# Altium PCB PCB1.PcbDoc (part 1 of 4) (continued)
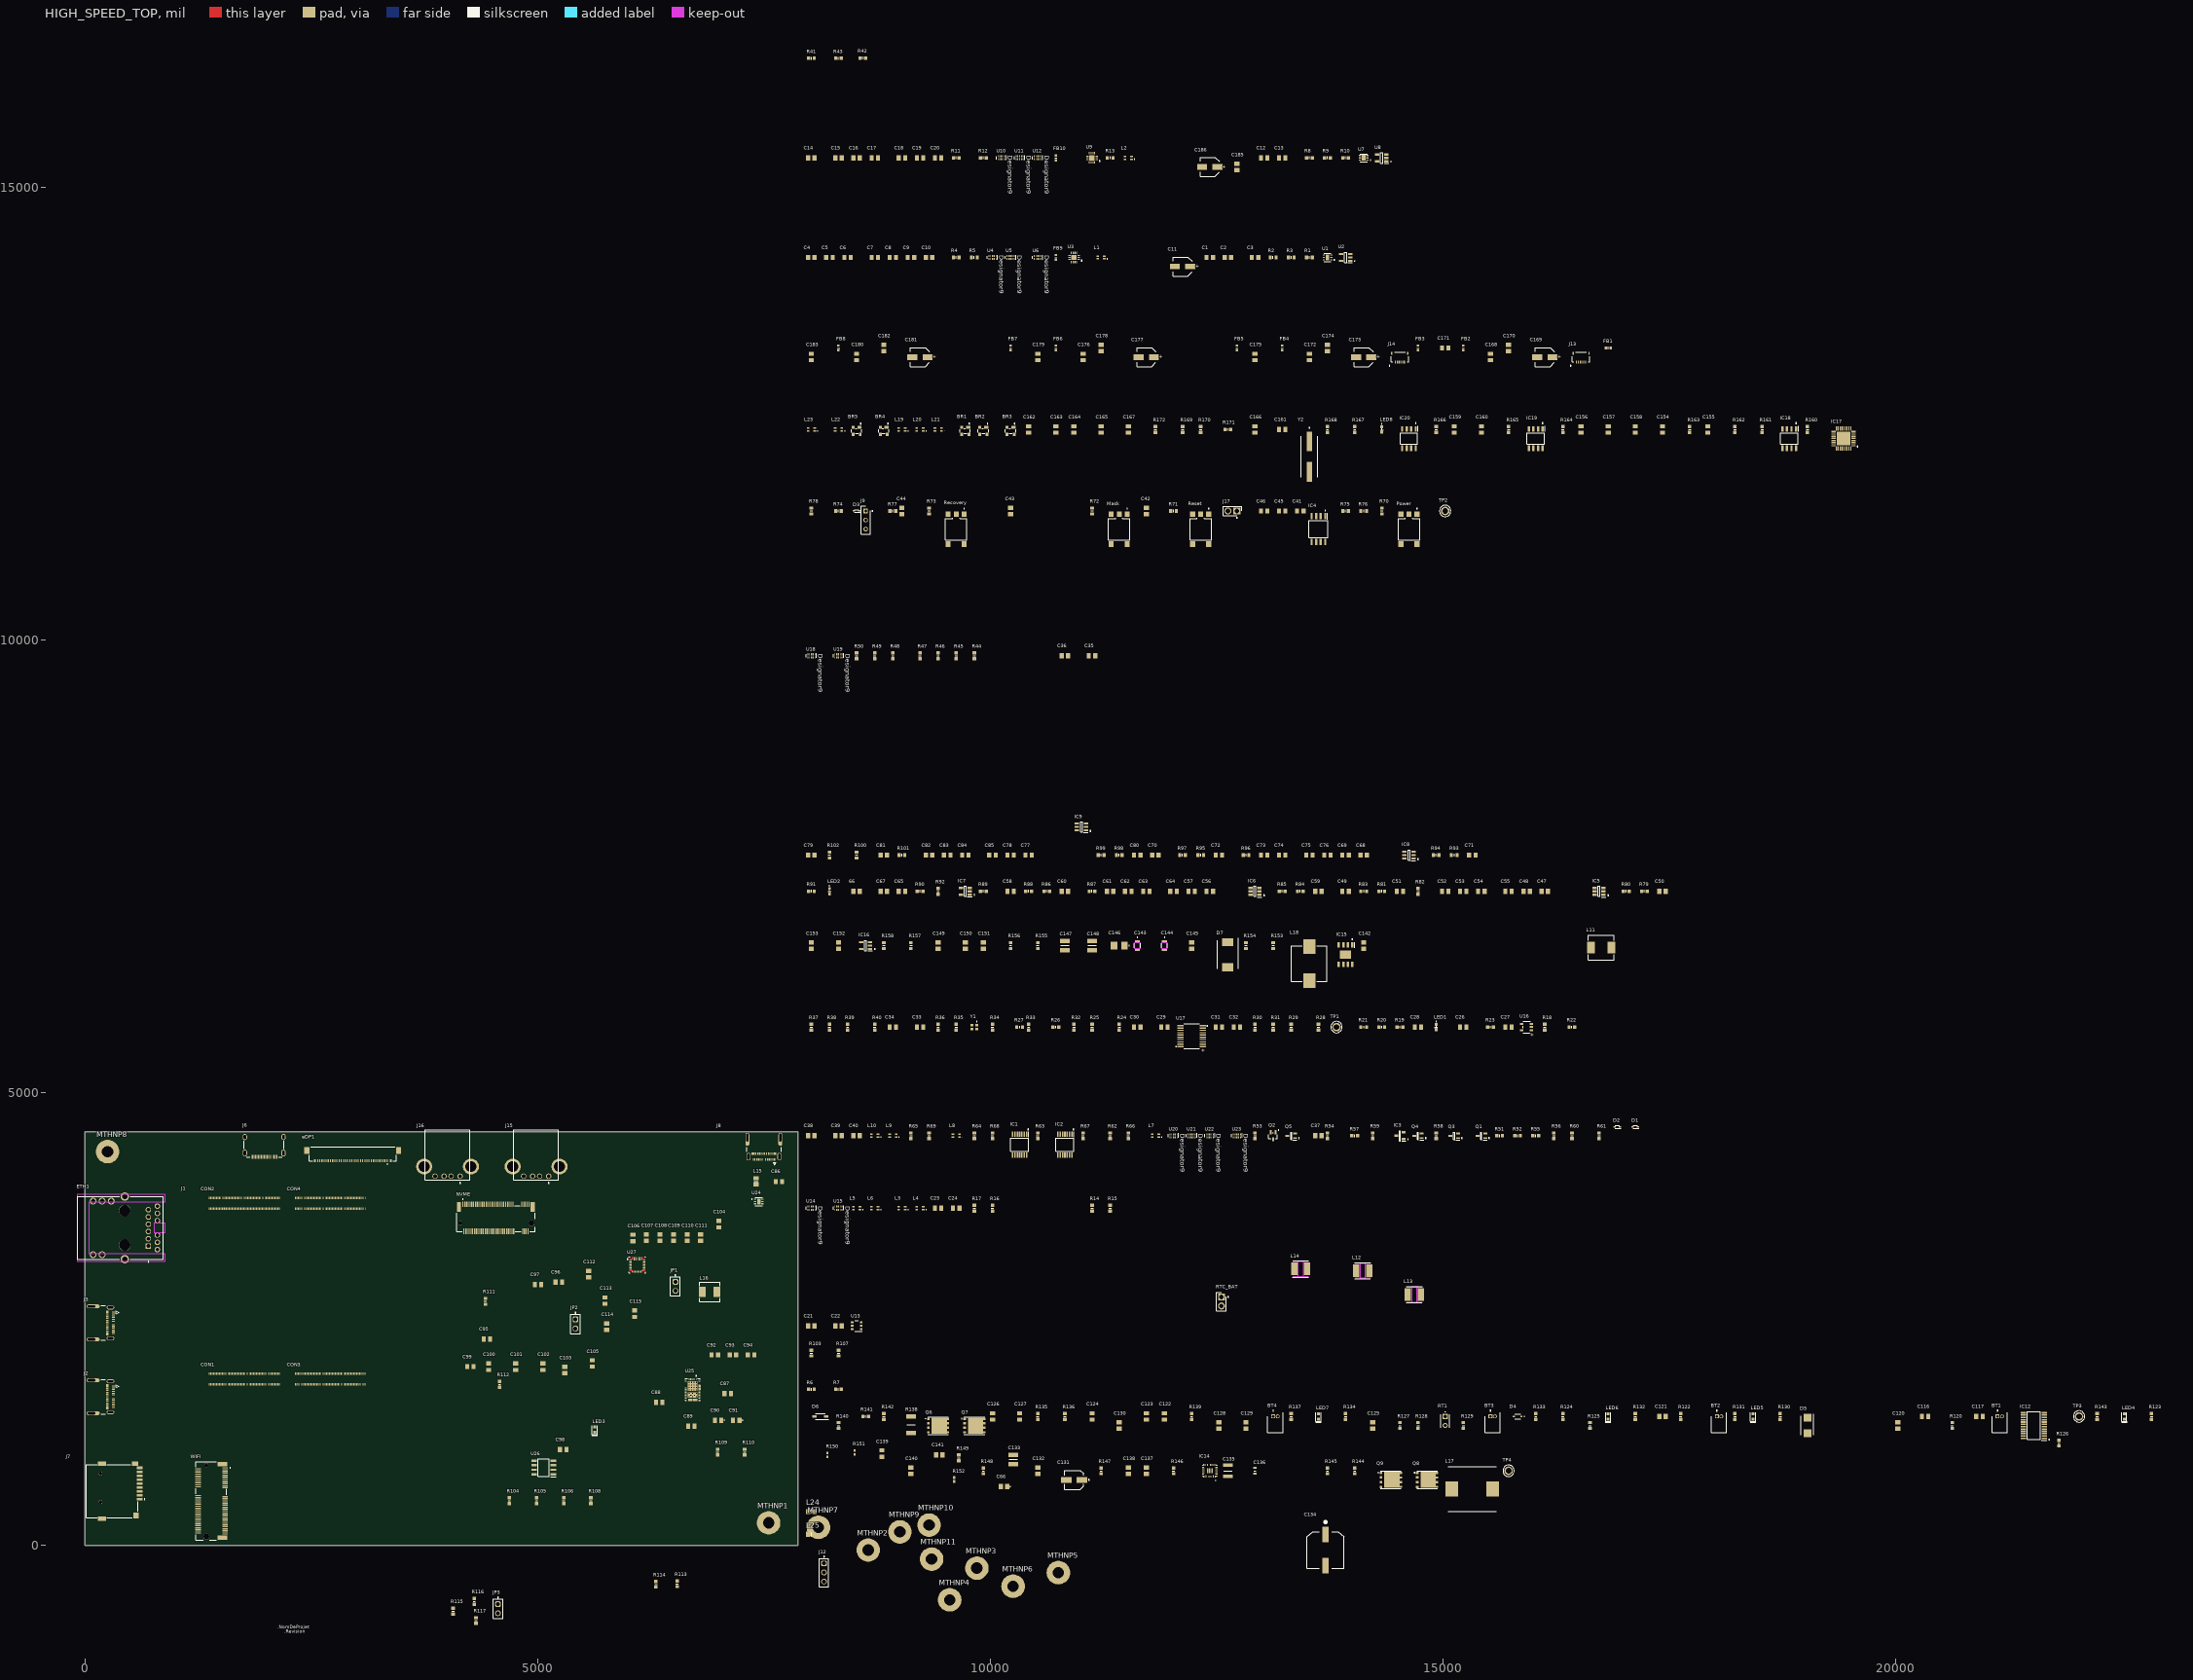
[diagram p0: HIGH_SPEED_TOP view]
## Components (designator, comment, footprint, x,y, rotation, side; value= is the part's Value field where it differs from the comment) (continued)
C70 "1uF/10V" C0805 11822.05,7625.2 r180 top value=1uF
C71 "0.1uF/25V" c0805 15322.05,7625.2 r180 top value=100nF
C72 "22pF/50V" C0805 12522.05,7625.2 r180 top value=22pF
C73 "10uF/25V" C0805 13022.05,7625.2 r180 top value=10uF
C74 "10uF/25V" C0805 13222.05,7625.2 r180 top value=10uF
C75 "10uF/25V" C0805 13522.05,7625.2 r180 top value=10uF
C76 "10uF/25V" C0805 13722.05,7625.2 r180 top value=10uF
C77 "10uF/25V" C0805 10422.05,7625.2 r180 top value=10uF
C78 "10uF/25V" C0805 10222.05,7625.2 r180 top value=10uF
C79 "1uF/10V" C0805 8022.05,7625.2 r180 top value=1uF
C80 "0.1uF/25V" c0805 11622.05,7625.2 r180 top value=100nF
C81 "22pF/50V" C0805 8822.05,7625.2 r180 top value=22pF
C82 "10uF/25V" C0805 9322.05,7625.2 r180 top value=10uF
C83 "10uF/25V" C0805 9522.05,7625.2 r180 top value=10uF
C84 "10uF/25V" C0805 9722.05,7625.2 r180 top value=10uF
C85 "10uF/25V" C0805 10022.05,7625.2 r180 top value=10uF
C86 "10nF/25V" C0805 7665,4019 r180 top value=10nF
C87 "10uF/25V" C0805 7098,1677 r180 top value=10uF
C88 "10uF/25V" C0805 6341,1582 r180 top value=10uF
C89 "10uF/25V" C0805 6696.43,1316 r180 top value=10uF
C90 "330pF/25V" C0805 6993,1383.5 r180 top value=330pF
C91 "330pF/25V" C0805 7193,1383.5 r180 top value=330pF
C92 "22pF/25V" c0805 6956,2104.5 r180 top value=22uF
C93 "22pF/25V" c0805 7156,2104.5 r180 top value=22uF
C94 "0.1uF/25V" c0805 7356,2104.5 r180 top value=100nF
C95 "10uF/25V" C0805 4440,2281 r180 top value=10uF
C96 "10uF/25V" C0805 5233,2907 r180 top value=10uF
C97 "0.1uF/50V" C0805 5003.57,2880 r180 top value=100nF
C98 "10uF/25V" C0805 5282,1059 r180 top value=10uF
C99 "10uF/25V" C0805 4257.05,1975.2 r180 top value=10uF
C100 "10uF/25V" C0805 4457.05,1975.2 r270 top value=10uF
C101 "10uF/25V" C0805 4757.05,1975.2 r270 top value=10uF
C102 "0.1uF/50V" C0805 5057.05,1975.2 r270 top value=100nF
C103 "4.7uF/16V" C0805 5300,1938 r270 top value=4.7uF
C104 "47nF/25V" C0805 7000,3550 r270 top value=47nF
C105 "47nF/25V" C0805 5602,2010 r270 top value=47nF
C106 "0.1uF/50V" C0805 6053,3396 r270 top value=100nF
C107 "10uF/25V" C0805 6200,3400 r270 top value=10uF
C108 "10uF/25V" C0805 6350,3400 r270 top value=10uF
C109 "10uF/25V" C0805 6500,3400 r270 top value=10uF
C110 "10uF/25V" C0805 6650,3400 r270 top value=10uF
C111 "10uF/25V" C0805 6800,3400 r270 top value=10uF
C112 "0.1uF/50V" C0805 5562,2997 r270 top value=100nF
C113 "10uF/25V" C0805 5743.05,2705.2 r270 top value=10uF
C114 "10uF/25V" C0805 5761,2416 r270 top value=10uF
C115 "1nF/50V" C0805 6071,2560.57 r270 top value=1nF
C116 "1uF/25V" C0805 20322.05,1425.2 r180 top value=1uF
C117 "1uF/25V" C0805 20922.05,1425.2 r180 top value=1uF
C120 "1uF/25V" C0805 20022.05,1325.2 r270 top value=1uF
C121 "1uF/25V" C0805 17422.05,1425.2 r180 top value=1uF
C122 "0.1uF/25V" c0805 11922.05,1425.2 r270 top value=100nF
C123 "0.1uF/25V" c0805 11722.05,1425.2 r270 top value=100nF
C124 "0.1uF/25V" c0805 11122.05,1425.2 r270 top value=100nF
C125 "1uF/25V" C0805 14222.05,1325.2 r270 top value=1uF
C126 "0.1uF/25V" c0805 10022.05,1425.2 r270 top value=100nF
C127 "0.1uF/25V" c0805 10322.05,1425.2 r270 top value=100nF
C128 "1uF/25V" C0805 12522.05,1325.2 r270 top value=1uF
C129 "1uF/25V" C0805 12822.05,1325.2 r270 top value=1uF
C130 "1uF/25V" C0805 11422.05,1325.2 r270 top value=1uF
C131 "20SVPF56MX" 16SVF82M 10922.05,725.2 r180 top value=56uF
C132 "1uF/25V" C0805 10522.05,825.2 r270 top value=1uF
C133 "22uF/25V" CAPC3225X270N 10250,950 r270 top value=22uF
C134 "120uF/35V" 16SVF1000M 13700,-50 r180 top value=120uF
C135 "10uF/50V" CAPC3225X230N 12622.05,825.2 r270 top value=10uF
C136 "1uF/50V" CAPC1608X80N 12922.05,825.2 r270 top value=1uF
C137 "0.1uF/16V" C0805 11722.05,825.2 r270 top value=100nF
C138 "0.1uF/16V" C0805 11522.05,825.2 r270 top value=100nF
C139 "4.7nF/16V" c0805 8800,1014.57 r270 top value=4.7nF
C140 "15pF/16V" C0805 9122.05,825.2 r270 top value=15pF
C141 "4.7uF/16V" C0805 9435.43,1000 r180 top value=4.7uF
C142 "0.1uF/25V" c0805 14122.05,6625.2 r270 top value=100nF
C143 "4.7uF/50V" CAP_2012_TDK 11622.05,6625.2 r270 top value=4.7uF
C144 "4.7uF/50V" CAP_2012_TDK 11922.05,6625.2 r270 top value=4.7uF
C145 "10nF/50V" c0805 12222.05,6625.2 r270 top value=10nF
C146 "100uF/6.3V" T520B 11422.05,6625.2 r180 top value=100uF
C147 "47uF/10V" CAPC3225X270N 10822.05,6625.2 r270 top value=47uF
C148 "47uF/10V" CAPC3225X270N 11122.05,6625.2 r270 top value=47uF
C149 "10nF/25V" C0805 9422.05,6625.2 r270 top value=10nF
C150 "2.2nF/25V" C0805 9722.05,6625.2 r270 top
C151 "22pF/50V" C0805 9922.05,6625.2 r270 top value=22pF
C152 "10uF/25V" C0805 8322.05,6625.2 r270 top value=10uF
C153 "10uF/25V" C0805 8022.05,6625.2 r270 top value=10uF
C154 "1uF/16V" C0805 17422.05,12325.2 r270 top value=1uF
C155 "1nF/50V" C0805 17922.05,12325.2 r270 top value=1nF
C156 "0.1uF/6.3V" C0805 16522.05,12325.2 r270 top value=100nF
C157 "4.7uF / 6.3V" C0805 16822.05,12325.2 r270 top value=4.7uF
C158 "0.1uF/6.3V" C0805 17122.05,12325.2 r270 top value=100nF
C159 "0.1uF/6.3V" C0805 15122.05,12325.2 r270 top value=100nF
C160 "0.1uF/6.3V" C0805 15422.05,12325.2 r270 top value=100nF
C161 "18pF/50V" C0805 13222.05,12325.2 r180 top value=18pF
C162 "0.1uF/6.3V" C0805 10422.05,12325.2 r270 top value=100nF
C163 "0.1uF/6.3V" C0805 10722.05,12325.2 r270 top value=100nF
C164 "0.1uF/6.3V" C0805 10922.05,12325.2 r270 top value=100nF
C165 "0.1uF/6.3V" C0805 11222.05,12325.2 r270 top value=100nF
C166 "0.1uF/6.3V" C0805 12922.05,12325.2 r270 top value=100nF
C167 "18pF/50V" C0805 11522.05,12325.2 r270 top value=18pF
C168 "0.1uF/6.3V" C0805 15522.05,13125.2 r270 top value=100nF
C169 "100uF / 6.3V" EEE0GA101SR 16122.05,13125.2 r180 top value=100uF
C170 "1nF/50V" C0805 15722.05,13225.2 r270 top value=1nF
C171 "0.1uF/6.3V" C0805 15022.05,13225.2 r180 top value=100nF
C172 "0.1uF/6.3V" C0805 13522.05,13125.2 r270 top value=100nF
C173 "100uF / 6.3V" EEE0GA101SR 14122.05,13125.2 r180 top value=100uF
C174 "1nF/50V" C0805 13722.05,13225.2 r270 top value=1nF
C175 "0.1uF/6.3V" C0805 12922.05,13125.2 r270 top value=100nF
C176 "0.1uF/6.3V" C0805 11022.05,13125.2 r270 top value=100nF
C177 "100uF / 6.3V" EEE0GA101SR 11722.05,13125.2 r180 top value=100uF
C178 "1nF/50V" C0805 11222.05,13225.2 r270 top value=1nF
C179 "0.1uF/6.3V" C0805 10522.05,13125.2 r270 top value=100nF
C180 "0.1uF/6.3V" C0805 8522.05,13125.2 r270 top value=100nF
C181 "100uF / 6.3V" EEE0GA101SR 9222.05,13125.2 r180 top value=100uF
C182 "1nF/50V" C0805 8822.05,13225.2 r270 top value=1nF
C183 "0.1uF/6.3V" C0805 8022.05,13125.2 r270 top value=100nF
C185 "0.1uF/6.3V" C0805 12722.05,15225.2 r270 top value=100nF
C186 "100uF / 6.3V" EEE0GA101SR 12422.05,15225.2 r180 top value=100uF
CON1 "DF40HC" DF40HC30100DS04V51_MOD 1760.56,1838.41 r0 top locked
CON2 "DF40HC" DF40HC30100DS04V51_MOD 1759.41,3779.37 r0 top locked
CON3 "DF40HC" DF40HC30100DS04V51_MOD 2708.83,1838.63 r0 top locked
CON4 "DF40HC" DF40HC30100DS04V51_MOD 2709.44,3778.97 r0 top locked
D1 "30V/200mA" SODFL1608X70N 17122.05,4625.2 r180 top
D2 "30V/200mA" SODFL1608X70N 16922.05,4625.2 r180 top
D3 "30V/200mA" SODFL1608X70N 8522.05,11425.2 r180 top
D4 "BAS316_RRG" BAS316RRG 15822.05,1425.2 r180 top
D5 "SMBJ26A-13-F" DIOM5336X250N 19022.05,1325.2 r270 top
D6 "MMSZ5248B-7-F" SOD3716X115N 8122.05,1425.2 r180 top
D7 "CDBC540-G" DIOM8059X290N 12622.05,6525.2 r270 top
eDP1 "20455-040E-76" IPEX_20455-040E-76 2956.68,4325.59 r180 top
ETH1 "L829-1J1T-JM" RJ-45 440,3508 r90 top
FB1 "220R / 100MHz" BLM18SP221SN1B 16822.05,13225.2 r180 top value=50mR
FB2 "220R / 100MHz" BLM18SP221SN1B 15222.05,13225.2 r270 top value=50mR
FB3 "220R / 100MHz" BLM18SP221SN1B 14722.05,13225.2 r270 top value=50mR
FB4 "220R / 100MHz" BLM18SP221SN1B 13222.05,13225.2 r270 top value=50mR
FB5 "220R / 100MHz" BLM18SP221SN1B 12722.05,13225.2 r270 top value=50mR
FB6 "220R / 100MHz" BLM18SP221SN1B 10722.05,13225.2 r270 top value=50mR
FB7 "220R / 100MHz" BLM18SP221SN1B 10222.05,13225.2 r270 top value=50mR
FB8 "220R / 100MHz" BLM18SP221SN1B 8322.05,13225.2 r270 top value=50mR
FB9 "220R / 100MHz" BLM18SP221SN1B 10722.05,14225.2 r270 top value=50mR
FB10 "220R / 100MHz" BLM18SP221SN1B 10722.05,15325.2 r270 top value=50mR
IC1 "TMUX1511PWR" SOP65P640X120-14N 10322.05,4425.2 r270 top
IC2 "TMUX1511PWR" SOP65P640X120-14N 10822.05,4425.2 r270 top
IC3 "AP2331TDSA-7" SOT96P240X110-3N 14522.05,4525.2 r180 top
IC4 "AT25SF081B-SHB-T" SOIC127P798X216-8N 13622.05,11225.2 r270 top
IC5 "TPS564201DDCR" SOT95P280X110-6N 16722.05,7225.2 r180 top
IC6 "TPS564201DDCR" SOT95P280X110-6N 12922.05,7225.2 r180 top
IC7 "RT9193-18GB" SOT94P279X130-5N 9722.05,7225.2 r180 top
IC8 "TPS564201DDCR" SOT95P280X110-6N 14622.05,7625.2 r180 top
IC9 "TPS564201DDCR" SOT95P280X110-6N 11005,7936 r180 top
IC12 "BQ7791501PWR" SOP65P640X120-24N 21522.05,1325.2 r180 top
IC14 "TPS552882RPMR" TPS552882RPMR 12422.05,825.2 r180 top
IC15 "TPS54531DDA" SOIC127P600X170-9N 13922.05,6525.2 r270 top
IC16 "TLV75533PDBVR" SOT95P280X145-5N 8622.05,6625.2 r180 top
IC17 "USB2514B-AEZG" QFN50P600X600X100-37N-D 19422.05,12225.2 r180 top
IC18 "MIC2505-1YM" SOIC127P599X173-8N 18822.05,12225.2 r270 top
IC19 "MIC2026-1YM" SOIC127P599X173-8N 16022.05,12225.2 r270 top
IC20 "MIC2026-1YM" SOIC127P599X173-8N 14622.05,12225.2 r270 top
J1 "CM3588 Hirose Connector" CM3588 2235,2800 r90 top
J2 "USBC" USB_C 1.33,1642.53 r270 top
J3 "USBC" USB_C 1.33,2458.21 r270 top
J6 "HDMI" HDMI_MINI 1979.42,4440.13 r180 top
J7 "MicroSD" CUI_MSD-4-A 300,600 r270 top
J8 "USBC" USB_C 7497.89,4574.68 r180 top
J9 "2.54MM" HDRV3W64P0X254_1X3_762X254X864P 8622.05,11425.2 r270 top
J12 "61300311121" 61300311121 8162,-298 r270 top
J13 "FPC_Connector_6P" 23287026 16522.05,13125.2 r180 top value=7.6pF
J14 "FPC_Connector_6P" 23287026 14522.05,13125.2 r180 top value=7.6pF
J15 "USB_Ext_1" TECONN-4POS-USB 5120.17,4078.31 r180 top
J16 "USB_Ext_2" TECONN-4POS-USB 4142.13,4078.31 r180 top
J17 "PowerOn_btn" HDRV2W110P0X254_1X2_508X254X854P 12722.05,11425.2 r180 top
JP1 "PW_SYS_BAK" 61300211121 6521,2862 r270 top
JP2 "POWER_BAK" 61300211121 5417,2447 r270 top
JP3 "TS" 61300211121 4561,-698 r270 top
L1 "400mA / 90 Ohm" ACM20129002PT002 11222.05,14225.2 r180 top
L2 "400mA / 90 Ohm" ACM20129002PT002 11522.05,15325.2 r180 top
L3 "ACM2012-900-2P-T002" ACM20129002PT002 9022.05,3725.2 r180 top
L4 "ACM2012-900-2P-T002" ACM20129002PT002 9222.05,3725.2 r180 top
L5 "ACM2012-900-2P-T002" ACM20129002PT002 8522.05,3725.2 r180 top
L6 "ACM2012-900-2P-T002" ACM20129002PT002 8722.05,3725.2 r180 top
L7 "ACM2012-900-2P-T002" ACM20129002PT002 11822.05,4525.2 r180 top
L8 "ACM2012-900-2P-T002" ACM20129002PT002 9622.05,4525.2 r180 top
L9 "ACM2012-900-2P-T002" ACM20129002PT002 8922.05,4525.2 r180 top
L10 "ACM2012-900-2P-T002" ACM20129002PT002 8722.05,4525.2 r180 top
L11 "MWSA0605S-3R3MT" IND_MWSA0603S_SNL 16744,6603 r180 top
L12 "WPN4020H2R2MT" IND_WPN4020H_SNL 14111,3036 r180 top
L13 "WPN4020H2R2MT" IND_WPN4020H_SNL 14682.15,2771 r180 top
L14 "WPN4020H2R2MT" IND_WPN4020H_SNL 13426,3055 r180 top
L15 "FBMJ2125HM210NT" INDC2012X105N 7411,4022.54 r270 top
L16 "IHLP2020BZER1R0M11" IHLP-2020BZ 6900,2800 r180 top value=1uH
L17 "8.2pH/13.8mOhms" INDPM135126X650N 15322.05,625.2 r180 top value=8.2uH
L18 "74437368047" WE-LHMI_104048 13522.05,6425.2 r270 top value=4.7uH
L19 "400mA / 90 Ohm" ACM20129002PT002 9022.05,12325.2 r180 top
L20 "400mA / 90 Ohm" ACM20129002PT002 9222.05,12325.2 r180 top
L21 "400mA / 90 Ohm" ACM20129002PT002 9422.05,12325.2 r180 top
L22 "400mA / 90 Ohm" ACM20129002PT002 8322.05,12325.2 r180 top
L23 "400mA / 90 Ohm" ACM20129002PT002 8022.05,12325.2 r180 top
L24 "FBMJ2125HM210NT" INDC2012X105N 8022.05,375.2 r180 top
L25 "FBMJ2125HM210NT" INDC2012X105N 8022.05,125.2 r180 top
LED1 "Green, 3.2V, 140°" WL-SMCD_0603 14922.05,5725.2 r270 top
LED2 "Blue, 3.2V, 140°" WL-SMCD_0603 8222.05,7225.2 r270 top
LED3 "LTST-C190GKT" LED_LTST-C190 5630,1278 r270 top value=Green
LED4 "LTST-C190GKT" LED_LTST-C190 22522.05,1425.2 r270 top value=Green
LED5 "LTST-C190GKT" LED_LTST-C190 18422.05,1425.2 r270 top value=Green
LED6 "LTST-C190GKT" LED_LTST-C190 16822.05,1425.2 r270 top value=Green
LED7 "LTST-C190GKT" LED_LTST-C190 13622.05,1425.2 r270 top value=Green
LED8 "Green, 3.2V, 140°" WL-SMCD_0603 14322.05,12325.2 r270 top
Mask "SW_SMT" SW_TS06-667-25-BK-100-G-SMT-TR 11422.05,11225.2 r270 top
MTHNP1 "Mounting Hole Non-Plated 3.2mm" MTHNP3P2MM 7550,250 r180 top
MTHNP2 "Mounting Hole Non-Plated 3.2mm" MTHNP3P2MM 8650,-50 r180 top
MTHNP3 "Mounting Hole Non-Plated 3.2mm" MTHNP3P2MM 9850,-250 r180 top
MTHNP4 "Mounting Hole Non-Plated 3.2mm" MTHNP3P2MM 9550,-600 r180 top
MTHNP5 "Mounting Hole Non-Plated 3.2mm" MTHNP3P2MM 10750,-300 r180 top
MTHNP6 "Mounting Hole Non-Plated 3.2mm" MTHNP3P2MM 10250,-450 r180 top
MTHNP7 "Mounting Hole Non-Plated 3.2mm" MTHNP3P2MM 8100,200 r180 top
MTHNP8 "Mounting Hole Non-Plated 3.2mm" MTHNP3P2MM 250,4350 r180 top
MTHNP9 "Mounting Hole Non-Plated 3.2mm" MTHNP3P2MM 9000,150 r180 top
MTHNP10 "Mounting Hole Non-Plated 3.2mm" MTHNP3P2MM 9322.05,225.2 r270 top
MTHNP11 "Mounting Hole Non-Plated 3.2mm" MTHNP3P2MM 9350,-150 r270 top
NVME "Bus_M.2_Socket_M" AMPHENOL_MDT420M03001 4538,3560 r0 top
Power "SW_SMT" SW_TS06-667-25-BK-100-G-SMT-TR 14622.05,11225.2 r270 top
Q1 "2SK3018-TP" SOT65P228X120-3N 15422.05,4525.2 r180 top
Q2 "2N7002WT1G" SOT-323-3_2P2X1P35_ONS 13122.05,4525.2 r180 top
Q3 "2SK3018-TP" SOT65P228X120-3N 15122.05,4525.2 r180 top
Q4 "2SK3018-TP" SOT65P228X120-3N 14722.05,4525.2 r180 top
Q5 "2SK3018-TP" SOT65P228X120-3N 13322.05,4525.2 r180 top
Q6 "CSD18534Q5A" Q5A 9422.05,1325.2 r180 top
Q7 "CSD18534Q5A" Q5A 9822.05,1325.2 r180 top
Q8 "CSD18514Q5A" CSD18514Q5A 14822.05,725.2 r180 top
Q9 "CSD18514Q5A" CSD18514Q5A 14422.05,725.2 r180 top
R1 "100k" RESC1608X55N 13522.05,14225.2 r180 top value=100kR
R2 "6.8K" RESC1608X55N 13122.05,14225.2 r180 top value=6.8kR
R3 "6.8K" RESC1608X55N 13322.05,14225.2 r180 top value=6.8kR
R4 "2.2K" RESC1608X55N 9622.05,14225.2 r180 top value=2.2kR
R5 "2.2K" RESC1608X55N 9822.05,14225.2 r180 top value=2.2kR
R6 "0R" RESC1608X55N 8022.05,1725.2 r180 top
R7 "0R" RESC1608X55N 8322.05,1725.2 r180 top
R8 "6.8K" RESC1608X55N 13522.05,15325.2 r180 top value=6.8kR
R9 "6.8K" RESC1608X55N 13722.05,15325.2 r180 top value=6.8kR
R10 "100k" RESC1608X55N 13922.05,15325.2 r180 top value=100kR
R11 "2.2K" RESC1608X55N 9622.05,15325.2 r180 top value=2.2kR
R12 "2.2K" RESC1608X55N 9922.05,15325.2 r180 top value=2.2kR
R13 "10K" RESC1608X55N 11322.05,15325.2 r180 top value=10kR
R14 "560R" RESC1608X55N 11122.05,3725.2 r270 top
R15 "560R" RESC1608X55N 11322.05,3725.2 r270 top
R16 "560R" RESC1608X55N 10022.05,3725.2 r270 top
R17 "560R" RESC1608X55N 9822.05,3725.2 r270 top
R18 "47K" RESC1608X55N 16122.05,5725.2 r270 top value=47kR
R19 "0R" RESC1608X55N 14522.05,5725.2 r180 top
R20 "0R" RESC1608X55N 14322.05,5725.2 r180 top
R21 "0R" RESC1608X55N 14122.05,5725.2 r180 top
R22 "10K" RESC1608X55N 16422.05,5725.2 r180 top value=10kR
R23 "100k" RESC1608X55N 15522.05,5725.2 r180 top value=100kR
R24 "4.7K" RESC1608X55N 11422.05,5725.2 r270 top value=4.7kR
R25 "100R" RESC1608X55N 11122.05,5725.2 r270 top
R26 "10K" RESC1608X55N 10722.05,5725.2 r180 top value=10kR
R27 "10K" RESC1608X55N 10322.05,5725.2 r180 top value=10kR
R28 "33R" RESC1608X55N 13622.05,5725.2 r270 top
R29 "33R" RESC1608X55N 13322.05,5725.2 r270 top
R30 "49.9R" RESC1608X55N 12922.05,5725.2 r270 top
R31 "49.9R" RESC1608X55N 13122.05,5725.2 r270 top
R32 "33R" RESC1608X55N 10922.05,5725.2 r270 top
R33 "33R" RESC1608X55N 10422.05,5725.2 r270 top
R34 "33R" RESC1608X55N 10022.05,5725.2 r270 top
R35 "33R" RESC1608X55N 9622.05,5725.2 r270 top
R36 "470R" RESC1608X55N 9422.05,5725.2 r270 top
R37 "49.9R" RESC1608X55N 8022.05,5725.2 r270 top
R38 "49.9R" RESC1608X55N 8222.05,5725.2 r270 top
R39 "49.9R" RESC1608X55N 8422.05,5725.2 r270 top
R40 "49.9R" RESC1608X55N 8722.05,5725.2 r270 top
R41 "2.2K" RESC1608X55N 8022.05,16425.2 r180 top value=2.2kR
R42 "0R" RESC1608X55N 8590,16427 r180 top
R43 "0R" RESC1608X55N 8322.05,16425.2 r180 top
R44 "33R" RESC1608X55N 9822.05,9825.2 r270 top
R45 "33R" RESC1608X55N 9622.05,9825.2 r270 top
R46 "33R" RESC1608X55N 9422.05,9825.2 r270 top
R47 "33R" RESC1608X55N 9222.05,9825.2 r270 top
R48 "33R" RESC1608X55N 8922.05,9825.2 r270 top
R49 "33R" RESC1608X55N 8722.05,9825.2 r270 top
R50 "33R" RESC1608X55N 8522.05,9825.2 r270 top
R51 "10K" RESC1608X55N 15622.05,4525.2 r180 top value=10kR
R52 "10K" RESC1608X55N 15822.05,4525.2 r180 top value=10kR
R53 "47K" RESC1608X55N 12922.05,4525.2 r270 top value=47kR
R54 "1.8K" RESC1608X55N 13722.05,4525.2 r270 top value=1.8kR
R55 "10K" RESC1608X55N 16022.05,4525.2 r180 top value=10kR
R56 "1.8K" RESC1608X55N 16222.05,4525.2 r270 top value=1.8kR
R57 "10K" RESC1608X55N 14022.05,4525.2 r180 top value=10kR
R58 "1K" RESC1608X55N 14922.05,4525.2 r270 top value=1kR
R59 "1.8K" RESC1608X55N 14222.05,4525.2 r270 top value=1.8kR
R60 "27K" RESC1608X55N 16422.05,4525.2 r270 top value=27kR
R61 "27K" RESC1608X55N 16722.05,4525.2 r270 top value=27kR
R62 "499R" RESC1608X55N 11322.05,4525.2 r270 top
R63 "499R" RESC1608X55N 10522.05,4525.2 r270 top
R64 "499R" RESC1608X55N 9822.05,4525.2 r270 top
R65 "499R" RESC1608X55N 9122.05,4525.2 r270 top
R66 "499R" RESC1608X55N 11522.05,4525.2 r270 top
R67 "499R" RESC1608X55N 11022.05,4525.2 r270 top
R68 "499R" RESC1608X55N 10022.05,4525.2 r270 top
R69 "499R" RESC1608X55N 9322.05,4525.2 r270 top
R70 "100R" RESC1608X55N 14322.05,11425.2 r270 top
R71 "100R" RESC1608X55N 12022.05,11425.2 r180 top
R72 "100R" RESC1608X55N 11122.05,11425.2 r270 top
R73 "100R" RESC1608X55N 9322.05,11425.2 r270 top
R74 "0R" RESC1608X55N 8322.05,11425.2 r180 top
R75 "10K" RESC1608X55N 13922.05,11425.2 r180 top value=10kR
R76 "10K" RESC1608X55N 14122.05,11425.2 r180 top value=10kR
R77 "10K" RESC1608X55N 8922.05,11425.2 r180 top value=10kR
R78 "33R" RESC1608X55N 8022.05,11425.2 r270 top
R79 "0R" RESC1608X55N 17222.05,7225.2 r180 top
R80 "0R" RESC1608X55N 17022.05,7225.2 r180 top
R81 "10K" RESC1608X55N 14322.05,7225.2 r180 top value=10kR
R82 "56K" RESC1608X55N 14722.05,7225.2 r270 top value=56kR
R83 "10K" RESC1608X55N 14122.05,7225.2 r180 top value=10kR
R84 "0R" RESC1608X55N 13422.05,7225.2 r180 top
R85 "0R" RESC1608X55N 13222.05,7225.2 r180 top
R86 "10K" RESC1608X55N 10622.05,7225.2 r180 top value=10kR
R87 "33K" RESC1608X55N 11122.05,7225.2 r180 top value=33kR
R88 "10K" RESC1608X55N 10422.05,7225.2 r180 top value=10kR
R89 "0R" RESC1608X55N 9922.05,7225.2 r180 top
R90 "100k" RESC1608X55N 9222.05,7225.2 r180 top value=100kR
R91 "150K" RESC1608X55N 8022.05,7225.2 r180 top value=150kR
R92 "27K" RESC1608X55N 9422.05,7225.2 r270 top value=27kR
R93 "0R" RESC1608X55N 15122.05,7625.2 r180 top
R94 "0R" RESC1608X55N 14922.05,7625.2 r180 top
R95 "10K" RESC1608X55N 12322.05,7625.2 r180 top value=10kR
R96 "33K" RESC1608X55N 12822.05,7625.2 r180 top value=33kR
R97 "10K" RESC1608X55N 12122.05,7625.2 r180 top value=10kR
R98 "0R" RESC1608X55N 11422.05,7625.2 r180 top
R99 "0R" RESC1608X55N 11222.05,7625.2 r180 top
R100 "10K" RESC1608X55N 8522.05,7625.2 r270 top value=10kR
R101 "33K" RESC1608X55N 9022.05,7625.2 r180 top value=33kR
R102 "10K" RESC1608X55N 8222.05,7625.2 r270 top value=10kR
R103 "4.7K" RESC1608X55N 8022.05,2125.2 r270 top value=4.7kR
R104 "10K" RESC1608X55N 4687,495.5 r270 top value=10kR
R105 "10K" RESC1608X55N 4987,495.5 r270 top value=10kR
R106 "10K" RESC1608X55N 5287,495.5 r270 top value=10kR
R107 "4.7K" RESC1608X55N 8322.05,2125.2 r270 top value=4.7kR
R108 "10K" RESC1608X55N 5587,495.5 r270 top value=10kR
R109 "2.2K" RESC1608X55N 6986,1031.5 r270 top value=2.2kR
R110 "2.2K" RESC1608X55N 7286,1031.5 r270 top value=2.2kR
R111 "100R" RESC1608X55N 4422.05,2696.2 r270 top
R112 "17.4K" RESC1608X55N 4579,1780 r270 top value=17.4kR
R113 "137K" RESC1608X55N 6539,-423 r270 top value=137kR
R114 "100k" RESC1608X55N 6305,-428 r270 top value=100kR
R115 "30K" RESC1608X55N 4066,-725 r270 top value=30kR
R116 "5.23K" RESC1608X55N 4300,-617 r270 top value=5.23kR
R117 "10K" RESC1608X55N 4318,-828.5 r270 top value=10kR
R120 "10K" RESC1608X55N 20622.05,1325.2 r270 top value=10kR
R122 "5.1K" RESC1608X55N 17622.05,1425.2 r270 top value=5.1kR
R123 "1K" RESC1608X55N 22822.05,1425.2 r270 top value=1kR
R124 "5.1K" RESC1608X55N 16322.05,1425.2 r270 top value=5.1kR
R125 "1M" RESC1608X55N 16622.05,1325.2 r270 top value=1MR
R126 "33R" RESC1608X55N 21800,1130.62 r270 top
R127 "10K" RESC1608X55N 14522.05,1325.2 r270 top value=10kR
R128 "100k" RESC1608X55N 14722.05,1325.2 r270 top value=100kR
R129 "10K" RESC1608X55N 15222.05,1325.2 r270 top value=10kR
R130 "1K" RESC1608X55N 18722.05,1425.2 r270 top value=1kR
R131 "33R" RESC1608X55N 18222.05,1425.2 r270 top
R132 "1K" RESC1608X55N 17122.05,1425.2 r270 top value=1kR
R133 "33R" RESC1608X55N 16022.05,1425.2 r270 top
R134 "1K" RESC1608X55N 13922.05,1425.2 r270 top value=1kR
R135 "100R" RESC1608X55N 10522.05,1425.2 r270 top
R136 "100R" RESC1608X55N 10822.05,1425.2 r270 top
R137 "33R" RESC1608X55N 13322.05,1425.2 r270 top
R138 "CMP-R015-1.0" RESC5025X70N 9122.05,1425.2 r270 top
R139 "33R" RESC1608X55N 12222.05,1425.2 r270 top
R140 "10M" RESC1608X55N 8322.05,1325.2 r270 top value=10MR
R141 "3M" RESC1608X55N 8622.05,1425.2 r180 top value=3MR
R142 "470K" RESC1608X55N 8822.05,1425.2 r270 top value=470kR
R143 "1K" RESC1608X55N 22222.05,1425.2 r270 top value=1kR
R144 "549K" RESC1608X55N 14022.05,825.2 r270 top value=549kR
R145 "1R" RESC1608X55N 13722.05,825.2 r270 top
R146 "1R" RESC1608X55N 12022.05,825.2 r270 top
R147 "100k" RESC1608X55N 11222.05,825.2 r270 top value=100kR
R148 "100k" RESC1608X55N 9922.05,825.2 r270 top value=100kR
R149 "10.4K" RESC1608X55N 9650,968.5 r270 top
R150 "50K" RESC1005X40N 8200,1000 r270 top
R151 "31.6K" RESC1005X40N 8500,1028.35 r270 top
R152 "54.9K" RESC1005X40N 9600,728.35 r270 top
R153 "665K" RESC1608X55N 13122.05,6625.2 r270 top value=665kR
R154 "51.1R" RESC1608X55N 12822.05,6625.2 r270 top
R155 "130K" RESC1608X55N 10522.05,6625.2 r270 top value=130kR
R156 "10.2K" RESC1608X55N 10222.05,6625.2 r270 top value=10.2kR
R157 "37.4K" RESC1608X55N 9122.05,6625.2 r270 top value=37.4kR
R158 "1.96K" RESC1608X55N 8822.05,6625.2 r270 top value=1.96kR
R160 "100k" RESC1608X55N 19022.05,12325.2 r270 top value=100kR
R161 "1K" RESC1608X55N 18522.05,12325.2 r270 top value=1kR
R162 "0R" RESC1608X55N 18222.05,12325.2 r270 top
R163 "100k" RESC1608X55N 17722.05,12325.2 r270 top value=100kR
R164 "10K" RESC1608X55N 16322.05,12325.2 r270 top value=10kR
R165 "1K" RESC1608X55N 15722.05,12325.2 r270 top value=1kR
R166 "100k" RESC1608X55N 14922.05,12325.2 r270 top value=100kR
R167 "100k" RESC1608X55N 14022.05,12325.2 r270 top value=100kR
R168 "1.24K" RESC1608X55N 13722.05,12325.2 r270 top value=1.24kR
R169 "100k" RESC1608X55N 12122.05,12325.2 r270 top value=100kR
R170 "100k" RESC1608X55N 12322.05,12325.2 r270 top value=100kR
R171 "100k" RESC1608X55N 12622.05,12325.2 r180 top value=100kR
R172 "1M" RESC1608X55N 11822.05,12325.2 r270 top value=1MR
Recovery "SW_SMT" SW_TS06-667-25-BK-100-G-SMT-TR 9622.05,11225.2 r270 top
Reset "SW_SMT" SW_TS06-667-25-BK-100-G-SMT-TR 12322.05,11225.2 r270 top
RT1 "103AT-2" 103AT2 15022.05,1425.2 r180 top
RTC_BAT "" HDRV2W110P0X254_1X2_508X254X854P 12551,2745 r270 top
TP1 "NVME_TP" KEYSTONE_5006 13822.05,5725.2 r180 top
TP2 "POWERON" KEYSTONE_5006 15022.05,11425.2 r180 top
TP3 "CHARGE_TP" KEYSTONE_5006 22022.05,1425.2 r180 top
TP4 "Converter_TP" KEYSTONE_5006 15722.05,825.2 r180 top
U1 "TVS2200DRVR" SON65P200X200X80-7N 13722.05,14225.2 r180 top
U2 "SY6280AAC" SOT95P285X140-5N 13922.05,14225.2 r180 top
U3 "FUSB302BMPX" QFN50P250X250X80-15N 10922.05,14225.2 r180 top
U4 "TPD4E02B04DQAR" DQA0010A 10022.05,14225.2 r270 top
U5 "TPD4E02B04DQAR" DQA0010A 10222.05,14225.2 r270 top
U6 "TPD4E02B04DQAR" DQA0010A 10522.05,14225.2 r270 top
U7 "TVS2200DRVR" SON65P200X200X80-7N 14122.05,15325.2 r180 top
U8 "SY6280AAC" SOT95P285X140-5N 14322.05,15325.2 r180 top
U9 "FUSB302BMPX" QFN50P250X250X80-15N 11122.05,15325.2 r180 top
U10 "TPD4E02B04DQAR" DQA0010A 10122.05,15325.2 r270 top
U11 "TPD4E02B04DQAR" DQA0010A 10322.05,15325.2 r270 top
U12 "TPD4E02B04DQAR" DQA0010A 10522.05,15325.2 r270 top
U13 "TPS22917LDBVR" DBV0006_L 8522.05,2425.2 r180 top
U14 "TPD4E02B04DQAR" DQA0010A 8022.05,3725.2 r270 top
U15 "TPD4E02B04DQAR" DQA0010A 8322.05,3725.2 r270 top
U16 "RT9193-33GB" SOT-23-5_RIT 15922.05,5725.2 r180 top
U17 "PI6C557-05BLE" L20_PER-M 12222.05,5625.2 r180 top
U18 "TPD4E02B04DQAR" DQA0010A 8022.05,9825.2 r270 top
U19 "TPD4E02B04DQAR" DQA0010A 8322.05,9825.2 r270 top
U20 "TPD4E02B04DQAR" DQA0010A 12022.05,4525.2 r270 top
U21 "TPD4E02B04DQAR" DQA0010A 12222.05,4525.2 r270 top
U22 "TPD4E02B04DQAR" DQA0010A 12422.05,4525.2 r270 top
U23 "TPD4E02B04DQAR" DQA0010A 12722.05,4525.2 r270 top
U24 "TVS2200DRVR" SON65P200X200X80-7N 7442.35,3799.41 r0 top
U25 "TPS25750DRJK" RJK0038B-C01-MFG 6711,1722 r270 top
U26 "CAT24C256WI-GT3" SOIC127P600X175-8N 5066,861 r180 top
U27 "BQ25792RQM" RQM0029A-MFG 6100,3100 r0 top
WIFI "Bus_M.2_Socket_E" AMPHENOL_MDT320E01001 1339.57,492.52 r270 top
Y1 "25MHz/15PPM/8pF" XTAL_ECS-250-8-37B2-RWY-TR 9822.05,5725.2 r180 top
Y2 "24MHz/18pf/50Ohms" HCM4924000000ABJT 13522.05,12025.2 r270 top

## Footprints (in the part's own frame and the unit in brackets; to place one, negate y for a bottom-side part, rotate by r counter-clockwise, add the part's x,y. Pads: shape width x height; smd on the part's side, far side on the other; paste and mask are expansions set on the pad)
16SVF82M [mm]
  rect 3x1.6 smd: 1(-2.2,0) 2(2.2,0)
  silkscreen extent -4.32,-2.65 2.65,2.65, body extent -3,-2.65 3,2.65, height 5.93
16SVF1000M [mm]
  rect 1.9x4.4 smd: 1(0,-4.35) 2(0,4.35)
  silkscreen extent -5.15,-8.13 5.15,5.15, body extent -5.15,-5.5 5.15,5.5, height 12.63
103AT2 [mm]
  rect 1.416x1.416 hole 0.91: 1(0,0)
  round 1.416 hole 0.91: 2(0,2.54)
  silkscreen extent -1.2,-1.3 1.2,3.12, body extent -1.2,-0.58 1.2,3.12, height 6.44
23287026 [mm]
  rect 0.3x0.8 smd: 1(1.25,1.4) 2(0.75,1.4) 3(0.25,1.4) 4(-0.25,1.4) 5(-0.75,1.4) 6(-1.25,1.4)
  rect 0.4x0.8 smd: MP1(-2.25,-1.1) MP2(2.25,-1.1)
  silkscreen extent -2.5,-1.4 3.05,2.54, body extent -2.5,-1.66 2.5,2.17, height 1.06
61300211121 [mm] "Pin Header, pitch 2.54 mm, THT, Vertical, single row, 2p"
  rrect50% 1.6x1.6 hole 1.1: 1(-1.27,0)
  round 1.6 hole 1.1: 2(1.27,0)
  silkscreen extent -3.26,-1.35 2.69,1.35, body extent -2.54,-1.27 2.54,1.27, height 8.57
61300311121 [mm] "Pin Header, pitch 2.54 mm, THT, Vertical, single row, 3p"
  rrect50% 1.6x1.6 hole 1.1: 1(-2.54,0)
  round 1.6 hole 1.1: 2(0,0) 3(2.54,0)
  silkscreen extent -4.53,-1.35 3.96,1.35, body extent -3.81,-1.27 3.81,1.27, height 8.57
ACM20129002PT002 [mm]
  rect 0.75x0.4 smd: 1(-0.925,0.4) 2(-0.925,-0.4) 3(0.925,-0.4) 4(0.925,0.4)
  silkscreen extent -1.8,0.35 -1.7,0.45, body extent -1,-0.6 1,0.6, height 1.2
AMPHENOL_MDT320E01001 [mm]
  rect 0.3x1.55 smd mask+0.05: 1(-9.25,5.275) 2(-9,-2.275) 3(-8.75,5.275) 4(-8.5,-2.275) 5(-8.25,5.275) 6(-8,-2.275) 7(-7.75,5.275) 8(-7.5,-2.275) 9(-7.25,5.275) 10(-7,-2.275) 11(-6.75,5.275) 12(-6.5,-2.275) 13(-6.25,5.275) 14(-6,-2.275) 15(-5.75,5.275) 16(-5.5,-2.275) 17(-5.25,5.275) 18(-5,-2.275) 19(-4.75,5.275) 20(-4.5,-2.275) 21(-4.25,5.275) 22(-4,-2.275) 23(-3.75,5.275) 32(-1.5,-2.275) 33(-1.25,5.275) 34(-1,-2.275) 35(-0.75,5.275) 36(-0.5,-2.275) 37(-0.25,5.275) 38(0,-2.275) 39(0.25,5.275) 40(0.5,-2.275) 41(0.75,5.275) 42(1,-2.275) 43(1.25,5.275) 44(1.5,-2.275) 45(1.75,5.275) 46(2,-2.275) 47(2.25,5.275) 48(2.5,-2.275) 49(2.75,5.275) 50(3,-2.275) 51(3.25,5.275) 52(3.5,-2.275) 53(3.75,5.275) 54(4,-2.275) 55(4.25,5.275) 56(4.5,-2.275) 57(4.75,5.275) 58(5,-2.275) 59(5.25,5.275) 60(5.5,-2.275) 61(5.75,5.275) 62(6,-2.275) 63(6.25,5.275) 64(6.5,-2.275) 65(6.75,5.275) 66(7,-2.275) 67(7.25,5.275) 68(7.5,-2.275) 69(7.75,5.275) 70(8,-2.275) 71(8.25,5.275) 72(8.5,-2.275) 73(8.75,5.275) 74(9,-2.275) 75(9.25,5.275)
  rect 1.2x2.75 smd mask+0.05: S1(-10.35,4.5) S2(10.35,4.5)
  round 1.15 hole 1.15 unplated: ""(-10,0)
  round 1.65 hole 1.65 unplated: ""(10,0)
  silkscreen extent -11,-2.85 11,6.85, body extent -11,-4.6 11,3.95, height 3.2
AMPHENOL_MDT420M03001 [mm]
  rect 0.3x1.55 smd: 1(-9.25,5.275) 2(-9,-2.275) 3(-8.75,5.275) 4(-8.5,-2.275) 5(-8.25,5.275) 6(-8,-2.275) 7(-7.75,5.275) 8(-7.5,-2.275) 9(-7.25,5.275) 10(-7,-2.275) 11(-6.75,5.275) 12(-6.5,-2.275) 13(-6.25,5.275) 14(-6,-2.275) 15(-5.75,5.275) 16(-5.5,-2.275) 17(-5.25,5.275) 18(-5,-2.275) 19(-4.75,5.275) 20(-4.5,-2.275) 21(-4.25,5.275) 22(-4,-2.275) 23(-3.75,5.275) 24(-3.5,-2.275) 25(-3.25,5.275) 26(-3,-2.275) 27(-2.75,5.275) 28(-2.5,-2.275) 29(-2.25,5.275) 30(-2,-2.275) 31(-1.75,5.275) 32(-1.5,-2.275) 33(-1.25,5.275) 34(-1,-2.275) 35(-0.75,5.275) 36(-0.5,-2.275) 37(-0.25,5.275) 38(0,-2.275) 39(0.25,5.275) 40(0.5,-2.275) 41(0.75,5.275) 42(1,-2.275) 43(1.25,5.275) 44(1.5,-2.275) 45(1.75,5.275) 46(2,-2.275) 47(2.25,5.275) 48(2.5,-2.275) 49(2.75,5.275) 50(3,-2.275) 51(3.25,5.275) 52(3.5,-2.275) 53(3.75,5.275) 54(4,-2.275) 55(4.25,5.275) 56(4.5,-2.275) 57(4.75,5.275) 58(5,-2.275) 67(7.25,5.275) 68(7.5,-2.275) 69(7.75,5.275) 70(8,-2.275) 71(8.25,5.275) 72(8.5,-2.275) 73(8.75,5.275) 74(9,-2.275) 75(9.25,5.275)
  rect 1.2x2.75 smd: S1(-10.35,4.5) S2(10.35,4.5)
  round 1.15 hole 1.15 unplated: ""(-10,0)
  round 1.65 hole 1.65 unplated: ""(10,0)
  silkscreen extent -11,-2.35 11,6.85, body extent -11,-2.85 11,5.7, height 4.2
BAS316RRG [mm]
  rect 0.61x0.49 smd: 1(-1.065,0) 2(1.065,0)
  silkscreen extent -1.9,-0.64 0.85,0.64, body extent -1.32,-0.64 1.32,0.64, height 1.2
BF998215 [mm]
  rect 1.2x0.9 smd: 1(-0.8,-0.625)
  rect 0.8x0.9 smd: 2(1,-0.625) 3(1,1.375) 4(-1,1.375)
  silkscreen extent -1.45,-1.78 1.45,1.02, body extent -1.2,-1.23 1.2,1.67, height 1.1
BLM18SP221SN1B [mm]
  rect 0.65x0.7 smd: 1(-0.675,0) 2(0.675,0)
  silkscreen extent 0,-0.3 0,0.3, body extent -0.8,-0.4 0.8,0.4, height 0.8
C0805 [mm]
  rect 1.15x1.45 smd: 1(-0.9,0) 2(0.9,0)
  body extent -1.1,-0.72 1.1,0.73, height 0.88
c0805 [mm]
  rect 1.15x1.45 smd: 1(-0.9,0) 2(0.9,0)
  body extent -1.1,-0.72 1.1,0.73, height 0.88
CAP_2012_TDK [mil]
  rect 22x57 smd paste+0 mask+0: 1(-46.5,0) 2(46.5,0)
  HIGH_SPEED_TOP keep-out region: -33.5,-26.5 -33.5,26.5 33.5,26.5 33.5,-26.5
  Keep-Out Layer region: -33.5,-28.5 -33.5,28.5 33.5,28.5 33.5,-28.5
  silkscreen extent -93,-34 23,34, body extent -44,-29 44,29, height 49
CAPC1608X80N [mm]
  rect 0.54x0.94 smd: 1(-0.8,0) 2(0.8,0)
  silkscreen extent 0,-0.3 0,0.3, body extent -0.8,-0.4 0.8,0.4, height 0.8
CAPC3225X230N [mm]
  rect 0.92x2.82 smd: 1(-1.54,0) 2(1.54,0)
  silkscreen extent 0,-1.15 0,1.15, body extent -1.6,-1.25 1.6,1.25, height 2.5
CAPC3225X270N [mm]
  rect 1.26x2.72 smd: 1(-1.33,0) 2(1.33,0)
  silkscreen extent 0,-1.15 0,1.15, body extent -1.6,-1.25 1.6,1.25, height 2.7